# Altium PCB Bahran_pcb.PcbDoc (part 1 of 2)
Units mm, origin at the board's own origin, x right, y up, seen from the top; angles counter-clockwise.
Board outline 114.17 x 92.76 mm, 2 copper layers (Top Layer, Bottom Layer); 120 components, 74 nets, 376 pads, 645 vias.
Unrouted connection lines stored in the file: 240.
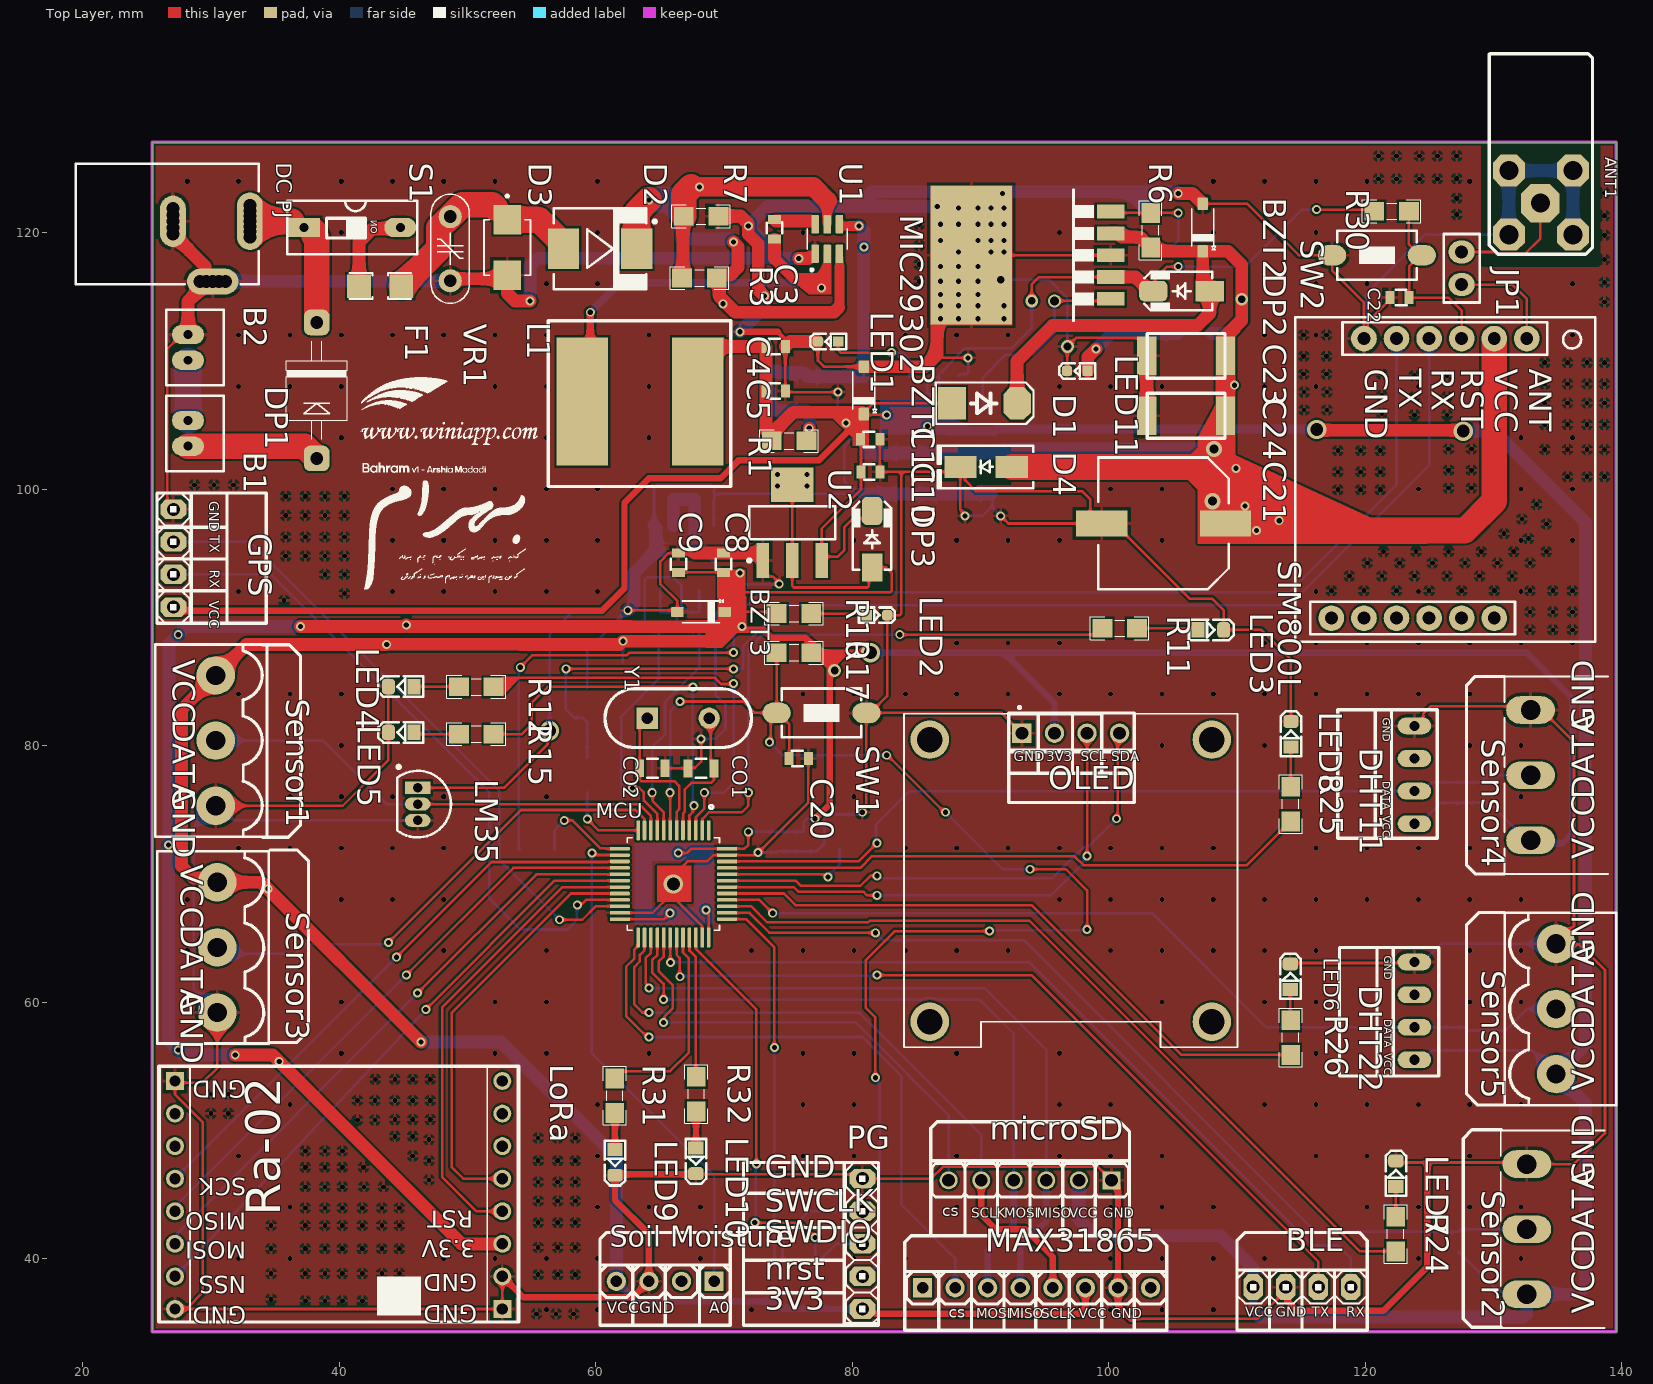
[diagram p0: Top Layer view]
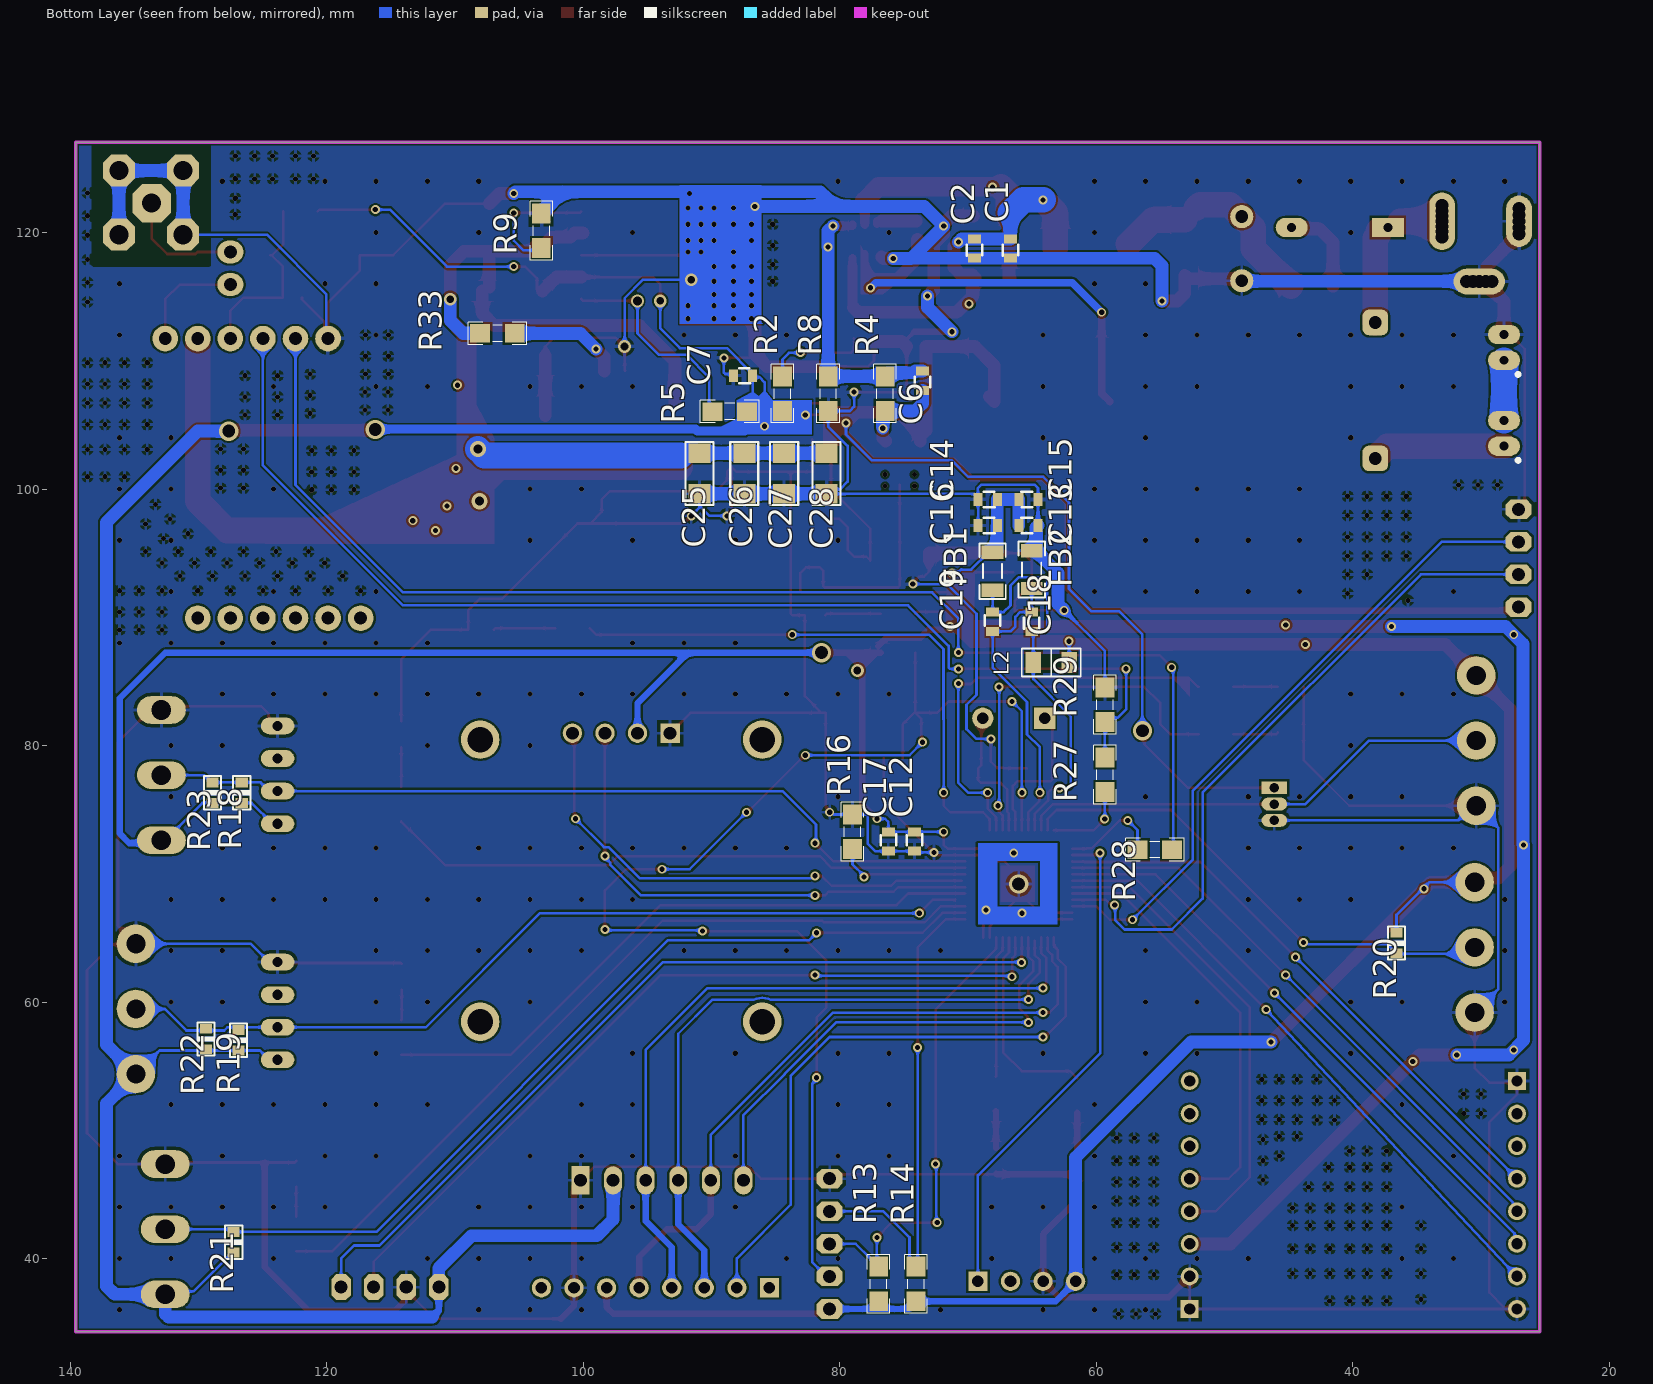
[diagram p1: Bottom Layer view, seen from below]

## Layer stack, top to bottom
Top Solder: solder mask 0.0102, Solder Resist, Dk 3.5
Top Layer: signal copper 0.0356
Dielectric 1: dielectric 0.32, FR-4, Dk 4.8
Bottom Layer: signal copper 0.0356
Bottom Solder: solder mask 0.0102, Solder Resist, Dk 3.5

## Board outline
25.4,34.29 25.4,127.051 139.573,127.051 139.573,34.29

## Design rules (kind name [scope] priority, off if disabled: settings)
AcuteAngle [All] p1: minimum=6.00000000000000E+0001 checktracksonly=FALSE
BoardOutlineClearance [All] p1: gap=0.2 ignorepadtopadclearanceinfootprint=FALSE
Clearance [All] p1: gap=0.16 ignorepadtopadclearanceinfootprint=FALSE except(0.2: Arc-Arc Arc-Track Track-Track)
HoleSize [All] p1: absolutevalues=TRUE maxlimit=10 minlimit=0.2 maxpercent=80.000 minpercent=20.000
HoleToHoleClearance [All] p1: gap=0.3 allowstackedmicrovias=TRUE
MinimumSolderMaskSliver [All] p1: minsoldermaskwidth=0.2
PolygonConnect PolygonConnect_6 [All vs IsNamedPolygon('NONET_L01_P012')] p1: thpad.connectstyle=Relief thpad.reliefconductorwidth=0.254 thpad.reliefentries=4 thpad.polygonreliefangle="90 Angle" thpad.airgapwidth=0.254 smdpad.connectstyle=Relief smdpad.reliefconductorwidth=0.254 smdpad.reliefentries=4 smdpad.polygonreliefangle="90 Angle" smdpad.airgapwidth=0.254 via.connectstyle=Direct via.reliefconductorwidth=0.254 via.reliefentries=4 via.polygonreliefangle="90 Angle" via.airgapwidth=0.254
PolygonConnect PolygonConnect_5 [All vs IsNamedPolygon('NONET_L01_P011')] p2: thpad.connectstyle=Relief thpad.reliefconductorwidth=0.254 thpad.reliefentries=4 thpad.polygonreliefangle="90 Angle" thpad.airgapwidth=0.254 smdpad.connectstyle=Relief smdpad.reliefconductorwidth=0.254 smdpad.reliefentries=4 smdpad.polygonreliefangle="90 Angle" smdpad.airgapwidth=0.254 via.connectstyle=Direct via.reliefconductorwidth=0.254 via.reliefentries=4 via.polygonreliefangle="90 Angle" via.airgapwidth=0.254
PolygonConnect PolygonConnect_4 [All vs IsNamedPolygon('NONET_L01_P010')] p3: thpad.connectstyle=Relief thpad.reliefconductorwidth=0.254 thpad.reliefentries=4 thpad.polygonreliefangle="90 Angle" thpad.airgapwidth=0.254 smdpad.connectstyle=Relief smdpad.reliefconductorwidth=0.254 smdpad.reliefentries=4 smdpad.polygonreliefangle="90 Angle" smdpad.airgapwidth=0.254 via.connectstyle=Direct via.reliefconductorwidth=0.254 via.reliefentries=4 via.polygonreliefangle="90 Angle" via.airgapwidth=0.254
PolygonConnect PolygonConnect_3 [All vs IsNamedPolygon('GND_L02_P009')] p4: thpad.connectstyle=Relief thpad.reliefconductorwidth=0.254 thpad.reliefentries=4 thpad.polygonreliefangle="90 Angle" thpad.airgapwidth=0.254 smdpad.connectstyle=Relief smdpad.reliefconductorwidth=0.254 smdpad.reliefentries=4 smdpad.polygonreliefangle="90 Angle" smdpad.airgapwidth=0.254 via.connectstyle=Direct via.reliefconductorwidth=0.254 via.reliefentries=4 via.polygonreliefangle="90 Angle" via.airgapwidth=0.254
PolygonConnect PolygonConnect_2 [All vs IsNamedPolygon('NONET_L01_P006')] p5: thpad.connectstyle=Relief thpad.reliefconductorwidth=0.254 thpad.reliefentries=4 thpad.polygonreliefangle="90 Angle" thpad.airgapwidth=0.254 smdpad.connectstyle=Relief smdpad.reliefconductorwidth=0.254 smdpad.reliefentries=4 smdpad.polygonreliefangle="90 Angle" smdpad.airgapwidth=0.254 via.connectstyle=Direct via.reliefconductorwidth=0.254 via.reliefentries=4 via.polygonreliefangle="90 Angle" via.airgapwidth=0.254
PolygonConnect PolygonConnect_1 [All vs IsNamedPolygon('NONET_L01_P005')] p6: thpad.connectstyle=Relief thpad.reliefconductorwidth=0.254 thpad.reliefentries=4 thpad.polygonreliefangle="90 Angle" thpad.airgapwidth=0.254 smdpad.connectstyle=Relief smdpad.reliefconductorwidth=0.254 smdpad.reliefentries=4 smdpad.polygonreliefangle="90 Angle" smdpad.airgapwidth=0.254 via.connectstyle=Direct via.reliefconductorwidth=0.254 via.reliefentries=4 via.polygonreliefangle="90 Angle" via.airgapwidth=0.254
PolygonConnect [All] p7: connectstyle=Relief reliefconductorwidth=0.254 reliefentries=4 polygonreliefangle="90 Angle" airgapwidth=0.254
RoutingVias [All] p1: holewidth=0.4 width=0.7 viastyle="Through Hole" minholewidth=0.4 minwidth=0.4 maxholewidth=3 maxwidth=6
SilkToSolderMaskClearance [IsPad] p1: minsilkscreentomaskgap=0.01 clearancetoexposedcopper=TRUE
SolderMaskExpansion [All] p1: expansion=0.102 istentingtop=FALSE
Width [All] p1: maxlimit=10 minlimit=0.2 preferedwidth=0.2
26 further rules are at their usual default settings.

## Classes and differential pairs
component class Power: AMS1117 B1 B2 BZT1 BZT2 BZT3 C1 C2 C3 C4 C5 C6 C7 C8 C9 C10 C11 D1 D2 D3 "DC PJ" DP1 DP2 DP3 DSPJ F1 L1 LED1 LED2 LED11 MIC29302 R1 R2 R3 R4 R5 R6 R7 R8 R9 R10 R33 S1 U1 U2 VR1
component class Output: DHT11 DHT22 LED6 LED7 LED8 LM35 MAX31865 microSD OLED R18 R19 R20 R21 R22 R23 R24 R25 R26 Sensor1 Sensor2 Sensor3 Sensor4 Sensor5 "Soil Moisture"
component class MCU: C12 C13 C14 C15 C16 C17 C18 C19 C20 CO1 CO2 FB1 FB2 L2 LED3 LED4 LED5 MCU PG R11 R12 R13 R14 R15 R16 R17 SW1 Y1
component class Comm: ANT1 BLE C21 C22 C23 C24 C25 C26 C27 C28 D4 GPS JP1 LED9 LED10 R27 R28 R29 R30 R31 R32 SIM800L SW2

## Components (designator, comment, footprint, x,y, rotation, side; value= is the part's Value field where it differs from the comment)
ANT1 "SIM20_ANT" MY_SIM20_ANT 133.718,122.308 r180 top
B1 "JST BxB-PH-K 2Pin" "JST B2B-PH-K" 28.194,104.344 r90 top
B2 "JST BxB-PH-K 2Pin" "JST B2B-PH-K" 28.194,111.048 r90 top
BLE "Header 4" My_1X04 115.062,37.771 r180 top
BZT1 "5.1V" SOD123 80.891,107.696 r90 top value=12V
BZT2 "4.3V" SOD123 107.315,120.396 r90 top value=12V
BZT3 "3.6V" SOD123 68.199,90.424 r180 top value=12V
C1 "10uF" MY_CAP_SMD_0603 66.675,118.757 r90 bottom
C2 "100nF" MY_CAP_SMD_0603 69.469,118.757 r90 bottom
C3 "100nF" MY_CAP_SMD_0603 73.914,120.269 r270 top
C4 "22uF" MY_CAP_SMD_0603 74.019,111.125 r0 top
C5 "22uF" MY_CAP_SMD_0603 74.019,107.644 r0 top
C6 "75pF" MY_CAP_SMD_0603 73.533,108.45 r90 bottom
C7 "10uF" MY_CAP_SMD_0603 87.532,108.839 r0 bottom
C8 "22uF" MY_CAP_SMD_0603 69.951,94.265 r90 top
C9 "100nF" MY_CAP_SMD_0603 66.447,94.265 r90 top
C10 "10uF" MY_CAP_SMD_0603 81.419,101.346 r0 top
C11 "100nF" MY_CAP_SMD_0603 81.395,103.886 r0 top
C12 "100nF" MY_CAP_SMD_0603 74.168,72.517 r270 bottom
C13 "100nF" MY_CAP_SMD_0603 65.278,97.155 r180 bottom
C14 "100nF" MY_CAP_SMD_0603 68.453,99.187 r0 bottom
C15 "100nF" MY_CAP_SMD_0603 65.278,99.187 r180 bottom
C16 "100nF" MY_CAP_SMD_0603 68.453,97.155 r0 bottom
C17 "100nF" MY_CAP_SMD_0603 76.2,72.517 r270 bottom
C18 "100nF" MY_CAP_SMD_0603 65.024,89.662 r90 bottom
C19 "10uF" MY_CAP_SMD_0603 68.072,89.65 r270 bottom
C20 "100nF" MY_CAP_SMD_0603 75.819,78.994 r0 top
C21 "1000uF 16V" "SMD_1000uf 16V" 104.267,97.32 r180 top
C22 "100nF" MY_CAP_SMD_0603 122.67,114.935 r180 top
C23 "tanSIM" MY_CAP_SMD-C 106.299,110.49 r180 top value=3300u
C24 "Tan_SIM2" MY_CAP_SMD-C 106.299,105.825 r180 top value=3300u
C25 "100nF" "1206 -cap" 90.932,101.219 r90 bottom
C26 "100nF" "1206 -cap" 87.426,101.219 r90 bottom
C27 "33pF" "1206 -cap" 84.328,101.219 r90 bottom
C28 "10pF" "1206 -cap" 81.026,101.219 r90 bottom
CO1 "18pF" MY_CAP_SMD_0805 68.199,78.232 r180 top (schematic designator C_Oscillator1)
CO2 "18pF" MY_CAP_SMD_0805 64.405,78.232 r0 top (schematic designator C_Oscillator2)
D1 "1N4007" DO-214AC 87.768,106.68 r0 top
D2 "1n5822" DO-214AB(SMC) 60.325,118.745 r0 top
D3 "SMBJ16A" DIOM4336X265N 53.086,118.845 r270 top
D4 "1SMA4732A" "DO-214AC SMA" 90.424,101.727 r180 top
"DC PJ" "DC Power Jack" "DC Power Jack 1" 33.02,121.685 r0 top
DHT11 "DHT11" DHT22 123.825,77.724 r90 top
DHT22 "DHT22" DHT22 123.825,59.309 r90 top
DP1 "1N5819" "1n58XX DO-201AD" 38.227,107.696 r90 top
DP2 "1N5819" 430X270D 105.664,115.443 r180 top
DP3 "1N5819" 430X270D 81.534,96.098 r90 top
F1 "F=3.0 A" "1206 FUSE" 43.18,115.824 r0 top
FB1 "Ferrite Bead SMD" FB1206 68.072,93.599 r270 bottom (schematic designator "Ferrite bead1")
FB2 "Ferrite Bead SMD" FB1206 65.024,93.726 r270 bottom (schematic designator "Ferrite bead2")
GPS "Header 4" My_1X04 27.051,94.615 r270 top
JP1 "Jumper" "Jumper Small - 2.54 - GRAY" 127.508,117.221 r90 top
L1 "15uH" INDUCTOR_SMD_3A 63.575,106.552 r180 top
L2 "10uH" "IND 1206_3216" 63.497,86.487 r0 bottom
LED1 "LED SMD 0603 BLUE" LED_0603_RED 78.105,111.506 r180 top
LED2 "LED SMD 0603 BLUE" LED_0603_RED 81.915,90.17 r0 top
LED3 "LED SMD 0805 GREEN" LED_0805_GREEN 107.95,89.027 r0 top
LED4 "LED SMD 0805 WHITE" LED_0805_WHITE 44.823,84.603 r180 top
LED5 "LED SMD 0805 BLUE" LED_0805_RED 44.823,81.026 r180 top
LED6 "LED SMD 0805 GREEN" LED_0805_GREEN 114.149,61.976 r90 top
LED7 "LED SMD 0805 GREEN" LED_0805_GREEN 122.382,46.609 r90 top
LED8 "LED SMD 0805 GREEN" LED_0805_GREEN 114.197,80.883 r90 top
LED9 "LED SMD 0805 BLUE" LED_0805_RED 61.492,47.498 r270 top
LED10 "LED SMD 0805 RED" LED_0805_RED 67.794,47.625 r270 top
LED11 "LED SMD 0603 BLUE" LED_0603_RED 97.536,109.22 r180 top
LM35 "LM35" Z03A 46.101,75.438 r180 top
LoRa "LoRa Ra02" "LoRa - Ra-02" 38.989,10.922 r180 top
MAX31865 "MAX31865" MHDR1X08-254P 85.471,37.719 r0 top
MCU "STM32F103C8T6" QFP50P900X900X160-48N 66.04,69.215 r270 top (schematic designator MCU1)
MIC29302 "MIC29302AWU" TO263-5 94.361,118.237 r90 top
microSD "microSD Module" HDR1X6-1 93.853,46.101 r180 top
OLED "OLED - 0.96" MODULE_DM-OLED096-636 97.028,69.469 r0 top
PG "Header 5" My_1X05 80.772,41.148 r270 top
R1 "49.9" RESC3413X04N 75.057,103.759 r180 top
R2 "330" RESC3413X04N 84.455,107.442 r270 bottom
R3 "511K" RESC3413X04N 68.072,116.459 r180 top
R4 "100K" RESC3413X04N 76.454,107.442 r90 bottom
R5 "4K7" RESC3413X04N 88.566,106.045 r180 bottom
R6 "100k 1%" RESC3413X04N 103.251,120.189 r270 top
R7 "105K" RESC3413X04N 68.199,121.285 r0 top
R8 "13.3K" RESC3413X04N 80.891,107.442 r270 bottom
R9 "43 1%" RESC3413X04N 103.251,120.142 r270 bottom
R10 "330" RESC3413X04N 75.438,90.297 r180 top
R11 "330" RESC3413X04N 100.838,89.154 r0 top
R12 "330" RESC3413X04N 50.665,84.579 r180 top
R13 "10K" RESC3413X04N 76.962,38.02 r90 bottom
R14 "10K" RESC3413X04N 74.041,38.02 r90 bottom
R15 "330" RESC3413X04N 50.665,80.899 r180 top
R16 "10K" RESC3413X04N 78.994,73.279 r90 bottom
R17 "10K" RESC3413X04N 75.438,87.249 r180 top
R18 "4K7" "RES 0603_1608" 126.619,76.327 r270 bottom value=1K
R19 "4K7" "RES 0603_1608" 126.873,57.023 r270 bottom value=1K
R20 "4K7" "RES 0603_1608" 36.576,64.605 r90 bottom value=1K
R21 "4K7" "RES 0603_1608" 127.254,41.275 r270 bottom value=1K
R22 "4K7" "RES 0603_1608" 129.413,57.121 r270 bottom value=1K
R23 "4K7" "RES 0603_1608" 128.905,76.327 r270 bottom value=1K
R24 "330" RESC3413X04N 122.358,41.914 r90 top
R25 "330" RESC3413X04N 114.173,75.438 r90 top
R26 "330" RESC3413X04N 114.173,57.23 r90 top
R27 "1.6K" RESC3413X04N 59.309,77.724 r270 bottom
R28 "1K" RESC3413X04N 55.419,71.882 r180 bottom
R29 "2.2K" RESC3413X04N 59.309,83.182 r90 bottom
R30 "1.6K" RESC3413X04N 122.047,121.666 r180 top
R31 "330" RESC3413X04N 61.468,52.705 r90 top
R32 "330" RESC3413X04N 67.818,52.832 r90 top
R33 "330" RESC3413X04N 106.68,112.141 r0 bottom
S1 "DS1" "DIP Switch x1" 37.247,120.396 r270 top
Sensor1 "Phoenix MSTBV+F 3Pin" "PHOENIX MSTBVF_3" 30.353,80.391 r270 top
Sensor2 "PHOENIX" "MSTB 2,5/3-G-5,08" 132.588,42.291 r90 top
Sensor3 "Phoenix MSTBV+F 3Pin" "PHOENIX MSTBVF_3" 30.48,64.262 r270 top
Sensor4 "PHOENIX" "MSTB 2,5/3-G-5,08" 132.884,77.695 r90 top
Sensor5 "Phoenix MSTBV+F 3Pin" "PHOENIX MSTBVF_3" 134.874,59.463 r90 top
SIM800L "SIM800L" SIM800L 124.968,100.838 r270 top
"Soil Moisture" "Soil Moisture" MHDR1X04-254P 69.215,38.227 r180 top
SW1 "Tactile 2PIN 6X3.5mm H4.57mm (SMD)" SWPBS_SPST_6X3X5 77.597,82.55 r0 top
SW2 "Tactile 2PIN 6X3.5mm H4.57mm (SMD)" SWPBS_SPST_6X3X5 120.904,118.237 r0 top
U1 "TPS54202HDDCR" SOT95P280X110-6N 78.039,119.495 r90 top
U2 "AMS1117" SOT223_M 75.311,97.38 r90 top
VR1 "7D270K" "07D XXX" 48.641,118.745 r270 top value=xxDxxx
Y1 "16Mhz" Crystal 66.421,82.137 r0 top

## Footprints (in the part's own frame and the unit in brackets; to place one, negate y for a bottom-side part, rotate by r counter-clockwise, add the part's x,y. Pads: shape width x height; smd on the part's side, far side on the other; paste and mask are expansions set on the pad)
"1n58XX DO-201AD" [mm] "Designer Abbas Basereh"
  rrect50% 2x2 hole 1: 1(-5.3,0) 2(5.3,0)
  silkscreen extent -3.82,-2.38 3.82,2.37, body extent -5.72,-2.35 5.7,2.4, height 5.38
"07D XXX" [mm] "MOV-07DxxxK Metal Oxide Varistors (MOVs) are 7 mm-Design:Abbas Basereh"
  round 1.8 hole 1: 1(2.5,0) 2(-2.5,0)
  silkscreen extent -4.25,-1.5 4.25,1.5, body extent -4,-1.26 4,1.25, height 11
430X270D [mm] "SMA Molded Diode, 2-Leads, Body 4.3x2.7mm"
  rect 2.2x1.6 smd: 1(-2.2,0)
  rrect50% 2.2x1.6 smd: 2(2.2,0)
  silkscreen extent -2.4,-1.5 2.9,1.5, body extent -2.75,-1.4 2.75,1.4, height 2.6
"1206 -cap" [mil]
  rect 60x68 smd: 1(-62.5,0) 2(62.5,0)
  silkscreen extent -96,-43 96,43, body extent -63,-31 63,32, height 39
"1206 FUSE" [mm] "Fast Acting Smd 1206 non-Resettable Fuse Chip For Pcb Board-Design:Abbas Basereh"
  rect 1.85x1.85 smd: 1(-1.65,0) 2(1.65,0)
  silkscreen extent -2.41,-1.02 2.41,1.02, body extent -1.6,-0.8 1.6,0.8, height 1
Crystal [mil] "16 Mhz Crystal footprint"
  rect 65x65 hole 35: 1(-95,0)
  round 65 hole 35: 2(95,0)
  silkscreen extent -225,-90 225,90, body extent -220,-89 220,95, height 143
"DC Power Jack 1" [mm] "Power Adaptor Jack"
  round 1.5 hole 1: 1(0,-2.05) 1(0,-1.6) 1(0,-1.2) 1(0,-0.4) 1(0,0) 1(0,0.45) 2(-6,-1.8) 2(-6,0.2) 2(-6,-1.3) 2(-6,-0.3) 3(-3.9,-5.5) 3(-3.4,-5.5) 3(-2.4,-5.5) 3(-1.9,-5.5)
  oval 2x4.5 hole 1: 1(0,-0.8)
  oval 2x4 hole 1: 2(-6,-0.8)
  oval 4x2 hole 1: 3(-2.9,-5.5)
  silkscreen extent -13.59,-5.7 0.7,3.7, body extent -13.68,-5.74 0.72,3.66, height 11.05
DHT22 [mm]
  oval 1.308x2.616 hole 0.8: DATA(-1.27,0) GND(3.81,0) NC(1.27,0) VDD(-3.81,0)
  body extent -7.48,-1.4 7.62,10.8, height 0.25
DIOM4336X265N [mm]
  rect 2.28x2.12 smd: A(2.165,0) C(-2.165,0)
  silkscreen extent -4.1,-1.81 2.16,1.81, body extent -2.68,-1.81 2.68,1.81, height 2.65
"DIP Switch x1" [mm] "Switch DIP 1 way flat slide Thru-Hole-Design:Ali Hafizi"
  rect 1.5x2.5 hole 0.7: 1(0,0)
  oval 1.5x2.5 hole 0.7: 2(0,7.5)
  silkscreen extent -2.09,-1.32 2.08,8.82, body extent -1.94,-1.11 1.89,8.64, height 7.33
DO-214AB(SMC) [mm] "Molded Diode, 2-Leads, Body 6/85x5/90mm, IPC Medium Density DESIGNER ABBAS BASEREH"
  rect 2.45x3.15 smd: 1(-2.85,0) 2(2.85,0)
  silkscreen extent -3.6,-3.2 4.38,3.15, body extent -3.77,-3.11 3.77,3.11, height 2.62
DO-214AC [mil] "1N4001-7 SMD DIODE"
  rect 85x100 smd: 1(0,0)
  oct 85x100 smd: 2(200,0)
  silkscreen extent -50,-63 250,64, body extent -8,-55 208,55, height 88
"DO-214AC SMA" [mm] "Molded Diode, 2-Leads, Body 4.30x2.60mm, IPC Medium Density"
  rect 2.5x1.7 smd: 1(-2,0) 2(2,0)
  Top Layer pour cut-out: -1.905,1.397 2.159,1.397 2.159,-1.524 -1.905,-1.524
  silkscreen extent -3.68,-1.65 3.75,1.65, body extent -2.6,-1.37 2.6,1.37, height 2.4
FB1206 [mm] "Ferrite Chip Bead SMD 1206-Design:Ali Hafizi"
  rect 1.05x1.7 smd: 1(-1.475,0) 2(1.475,0)
  silkscreen extent -2.17,-1.02 2.18,1.02, body extent -1.59,-0.8 1.61,0.8, height 1.1
HDR1X6-1 [mm] "Header /Jumper box-Designer Abbas Basereh"
  rect 1.4x1.4 / inner rect 1.4x1.4 / far side rect 1.4x2.2 hole 1 mask+0.1: 1(-6.35,0)
  round 1.4 / inner round 1.4 / far side oval 1.4x2.2 hole 1 mask+0.1: 2(-3.81,0) 3(-1.27,0) 4(1.27,0) 5(3.81,0) 6(6.35,0)
  silkscreen extent -7.65,-1.3 7.64,1.3, body extent -7.63,-1.46 7.61,1.46, height 8.61
"IND 1206_3216" [mm]
  rect 1.2x1.65 smd: 1(-1.4,0) 2(1.4,0)
  Top Layer pour cut-out: -0.939,0.86 -0.939,-0.664 0.839,-0.664 0.839,0.86
  silkscreen extent -2.3,-1.1 2.3,1.1, body extent -1.6,-0.8 1.6,0.8, height 1.4
INDUCTOR_SMD_3A [mm]
  rect 4x10 smd: 1(4.63,-0.285) 2(-4.37,-0.285)
  silkscreen extent -6.94,-6.58 7.3,6.34, body extent -6.36,-6.39 6.14,6.11, height 7.51
"JST B2B-PH-K" [mm]
  oval 1.5x2.5 hole 0.7: 1(-1,0) 2(1,0)
  silkscreen extent -2.95,-2.8 2.95,1.7, body extent -2.95,-2.8 2.95,1.7, height 6
"Jumper Small - 2.54 - GRAY" [mil]
  oval 70x80 hole 40: 1(-50,0) 2(50,0)
  silkscreen extent -105,-55 105,55, body extent -100,-50 100,50, height 337
LED_0603_RED [mm] "LED SMD 0603, RED"
  rect 0.8x0.8 smd mask+0.075: 1(-0.8,0)
  rrect50% 0.8x0.8 smd mask+0.075: 2(0.8,0)
  silkscreen extent -1.4,-0.6 1.4,0.6, body extent -0.8,-0.4 0.8,0.4, height 0.5
LED_0805_GREEN [mm] "LED SMD 0805, GREEN"
  rect 1x1.2 smd mask+0.075: 1(-1,0)
  rrect50% 1x1.2 smd mask+0.075: 2(1,0)
  Top Layer pour cut-out: -0.5,0.8 0.5,0.8 0.5,-0.8 -0.5,-0.8
  silkscreen extent -1.7,-0.8 1.8,0.8, body extent -1,-0.63 1,0.63, height 0.7
LED_0805_RED [mm] "LED SMD 0805, RED"
  rect 1x1.2 smd mask+0.075: 1(-1,0)
  rrect50% 1x1.2 smd mask+0.075: 2(1,0)
  Top Layer pour cut-out: -0.5,0.8 0.5,0.8 0.5,-0.8 -0.5,-0.8
  silkscreen extent -1.7,-0.8 1.8,0.8, body extent -1,-0.63 1,0.63, height 0.7
LED_0805_WHITE [mm] "LED SMD 0805, WHITE"
  rect 1x1.2 smd mask+0.075: 1(-1,0)
  rrect50% 1x1.2 smd mask+0.075: 2(1,0)
  Top Layer pour cut-out: -0.5,0.8 0.5,0.8 0.5,-0.8 -0.5,-0.8
  silkscreen extent -1.7,-0.8 1.8,0.8, body extent -1,-0.63 1,0.63, height 0.7
"LoRa - Ra-02" [mil]
  rect 55x55 hole 35: 1(-540,-990) 9(465,-1690)